# Altium PCB 20220331_Keyboard_V0.1.PcbDoc (part 2 of 2)
Units mil, origin at the board's own origin, x right, y up, seen from the top; angles counter-clockwise.
Board outline 8065.67 x 4703.83 mil, 2 copper layers (Top Layer, Bottom Layer); 134 components, 104 nets, 688 pads, 2532 vias.
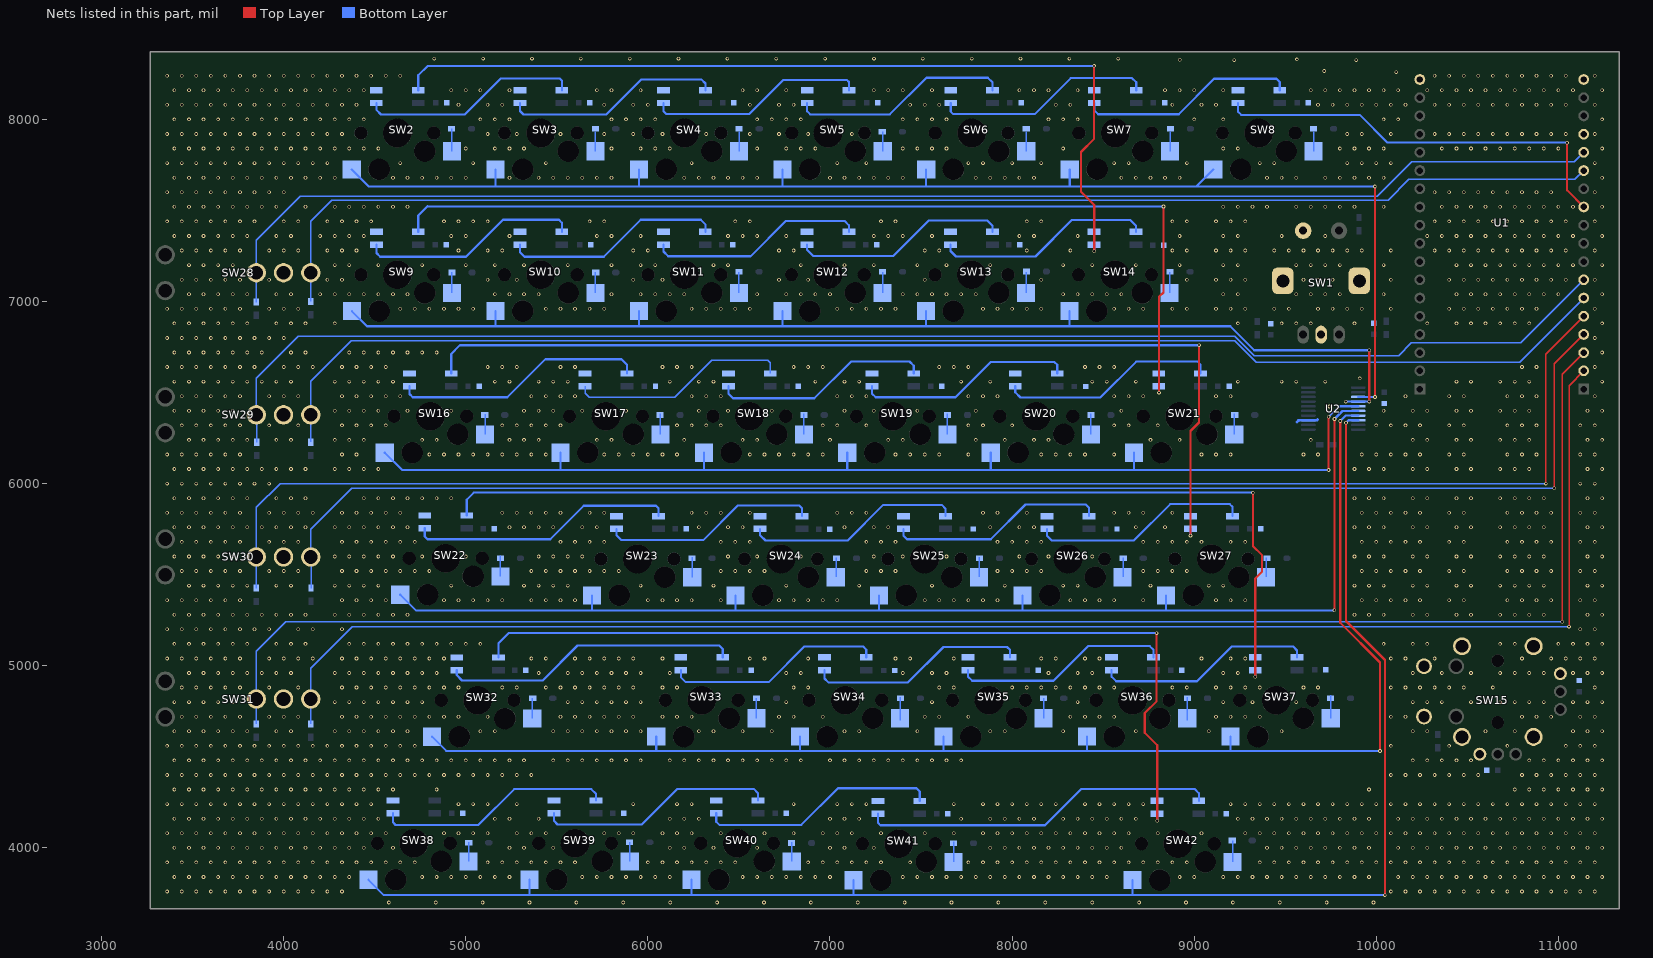
[diagram p2: the nets of this part, all layers, seen from the top]

## Via types
v1: diameter 20, hole 12, Top Layer to Bottom Layer, 2532 vias

## Nets (pads, with @x,y where several pads share a name; then routed paths per layer and width w, separated by ;. In a path a pad name is that pad's centre, name@x,y a point inside that pad or via, vN(x,y) a via of type N, cw(c..) or ccw(c..) an arc to the next point about the centre after c; other vN are vias at no path point) (continued)
GND: C1.1 C2.1 C3.1 C4.1 C5.1 C6.1 C7.1 C8.1 C9.2 C10.1 C11.1 C12.1 C13.1 C14.1 C15.1 C16.1 C17.1 C18.1 C19.1 C20.1 C21.1 C22.1 C23.1 C24.1 C25.1 C26.1 C27.1 C28.1 C29.1 C30.1 C31.1 C32.1 C33.1 C34.1 C35.1 C36.1 C37.1 C38.1 C39.1 C40.1 C41.1 SW1.6 SW1.7 SW1.C SW1.D SW2.5 SW3.5 SW4.5 SW5.5 SW6.5 SW7.5 SW8.5 SW9.5 SW10.5 SW11.5 SW12.5 SW13.5 SW14.5 SW15.1 SW15.6 SW15.7 SW15.8 SW15.9 SW15.10 SW15.b SW15.d SW16.5 SW17.5 SW18.5 SW19.5 SW20.5 SW21.5 SW22.5 SW23.5 SW24.5 SW25.5 SW26.5 SW27.5 SW28.2 SW29.2 SW30.2 SW31.2 SW32.5 SW33.5 SW34.5 SW35.5 SW36.5 SW37.5 SW38.5 SW39.5 SW40.5 SW41.5 SW42.5 U1.1 U1.4 U1.36 U2.13 | length 117.3
  Bottom Layer w16: 9565.08,6339.08 9574,6348.01 U2.13@9626.84,6348.01 9673.41,6348.01 9677.16,6351.76
  other v1: 4577.51,3700 4835,3700 5092.49,3700 5349.98,3700 5607.48,3700 5864.97,3700 6122.46,3700 6379.95,3700 6637.44,3700 6894.94,3700 7152.43,3700 7409.92,3700 7667.41,3700 7924.9,3700 8182.4,3700 8439.89,3700 8697.38,3700 8954.87,3700 9212.36,3700 9469.86,3700 9727.35,3700 9984.84,3700 3360,3760 3440,3760 3520,3760 3600,3760 3680,3760 3760,3760 3840,3760 3920,3760 4000,3760 4080,3760 4160,3760 4240,3760 4320,3760 10080,3760 10160,3760 10240,3760 10320,3760 10400,3760 10480,3760 10560,3760 10640,3760 10720,3760 10800,3760 10880,3760 10960,3760 11040,3760 11120,3760 11200,3760 3400,3840 3480,3840 3560,3840 3640,3840 3720,3840 3800,3840 3880,3840 3960,3840 4040,3840 4120,3840 4200,3840 4280,3840 4360,3840 4760,3840 4840,3840 4920,3840 5000,3840 5080,3840 5160,3840 5240,3840 5640,3840 5720,3840 5800,3840 5880,3840 5960,3840 6040,3840 6120,3840 6520,3840 6600,3840 6680,3840 6760,3840 6840,3840 6920,3840 7000,3840 7400,3840 7480,3840 7560,3840 7640,3840 7720,3840 7800,3840 7880,3840 7960,3840 8040,3840 8120,3840 8200,3840 8280,3840 8360,3840 8440,3840 8520,3840 8920,3840 9000,3840 9160,3840 9240,3840 9320,3840 9400,3840 9480,3840 9560,3840 9640,3840 9720,3840 9800,3840 9880,3840 9960,3840 10120,3840 10200,3840 10280,3840 10360,3840 10440,3840 10520,3840 10600,3840 10680,3840 10760,3840 10840,3840 10920,3840 11000,3840 11080,3840 11160,3840 11240,3840 3360,3920 3440,3920 3520,3920 3600,3920 3680,3920 3760,3920 3840,3920 3920,3920 4000,3920 4080,3920 4160,3920 4240,3920 4320,3920 4400,3920 4480,3920 4560,3920 4640,3920 4720,3920 5120,3920 5200,3920 5280,3920 5360,3920 5440,3920 5520,3920 5600,3920 6000,3920 6080,3920 6160,3920 6240,3920 6320,3920 6400,3920 6480,3920 6880,3920 6960,3920 7040,3920 7120,3920 7200,3920 7280,3920 7440,3920 7760,3920 7840,3920 7920,3920 8000,3920 8080,3920 8160,3920 8240,3920 8320,3920 8400,3920 8480,3920 8560,3920 8640,3920 8720,3920 8800,3920 8880,3920 8960,3920 9360,3920 9440,3920 9520,3920 9600,3920 9680,3920 9760,3920 9840,3920 9920,3920 10000,3920 10080,3920 10160,3920 10240,3920 10320,3920 10400,3920 10480,3920 10560,3920 10640,3920 10720,3920 10800,3920 10880,3920 10960,3920 11040,3920 11120,3920 11200,3920 3400,4000 3480,4000 3560,4000 3640,4000 3720,4000 3800,4000 3880,4000 3960,4000 4040,4000 4120,4000 4200,4000 4280,4000 4360,4000 4440,4000 4600,4000 5240,4000 5320,4000 5480,4000 6120,4000 6200,4000 6360,4000 6600,4000 7000,4000 7080,4000 7240,4000 7880,4000 7960,4000 8040,4000 8120,4000 8200,4000 8280,4000 8360,4000 8440,4000 8520,4000 8600,4000 9400,4000 9480,4000 9560,4000 9640,4000 9720,4000 9800,4000 9880,4000 9960,4000 10120,4000 10200,4000 10280,4000 10360,4000 10440,4000 10520,4000 10600,4000 10680,4000 10760,4000 10840,4000 10920,4000 11000,4000 11080,4000 11160,4000 11240,4000 3360,4080 3440,4080 3520,4080 3600,4080 3680,4080 3760,4080 3840,4080 3920,4080 4000,4080 4080,4080 4160,4080 4240,4080 4320,4080 4400,4080 4480,4080 4560,4080 4880,4080 4960,4080 5040,4080 5120,4080 5280,4080 5360,4080 5440,4080 5760,4080 5840,4080 5920,4080 6080,4080 6160,4080 6240,4080 6400,4080 6640,4080 6800,4080 6960,4080 7040,4080 7120,4080 7280,4080 7520,4080 7680,4080 7840,4080 7920,4080 8000,4080 8080,4080 8160,4080 8240,4080 8320,4080 8400,4080 8480,4080 8560,4080 8640,4080 8800,4080 9040,4080 9280,4080 9360,4080 9440,4080 9520,4080 9600,4080 9680,4080 9760,4080 9840,4080 9920,4080 10000,4080 10080,4080 10160,4080 10240,4080 10320,4080 10400,4080 10480,4080 10560,4080 10640,4080 10720,4080 10800,4080 10880,4080 10960,4080 11040,4080 11120,4080 11200,4080 3400,4160 3480,4160 3560,4160 3640,4160 3720,4160 3800,4160 3880,4160 3960,4160 4040,4160 4120,4160 4200,4160 4280,4160 4360,4160 4440,4160 4520,4160 5160,4160 5240,4160 5400,4160 6120,4160 6200,4160 6280,4160 7000,4160 7080,4160 7160,4160 7720,4160 7880,4160 7960,4160 8040,4160 8120,4160 8280,4160 8360,4160 8440,4160 8520,4160 8600,4160 8680,4160 9240,4160 9320,4160 9400,4160 9480,4160 9560,4160 9640,4160 9720,4160 9800,4160 9880,4160 9960,4160 10120,4160 10200,4160 10280,4160 10360,4160 10440,4160 10520,4160 10600,4160 10680,4160 10760,4160 10840,4160 10920,4160 11000,4160 11080,4160 11160,4160 11240,4160 3360,4240 3440,4240 3520,4240 3600,4240 3680,4240 3760,4240 3840,4240 3920,4240 4000,4240 4080,4240 4160,4240 4240,4240 4320,4240 4400,4240 4480,4240 4960,4240 5040,4240 5120,4240 5280,4240 5920,4240 6160,4240 6240,4240 6800,4240 7040,4240 7120,4240 7200,4240 7680,4240 7840,4240 7920,4240 8000,4240 8080,4240 8160,4240 8240,4240 8400,4240 8480,4240 8560,4240 8640,4240 8720,4240 9200,4240 9280,4240 9360,4240 9440,4240 9520,4240 9600,4240 9680,4240 9760,4240 9840,4240 9920,4240 10000,4240 10080,4240 10160,4240 10240,4240 10320,4240 10400,4240 10480,4240 10560,4240 10640,4240 10720,4240 10800,4240 10880,4240 10960,4240 11040,4240 11120,4240 11200,4240 3400,4320 3480,4320 3560,4320 3640,4320 3720,4320 3800,4320 3880,4320 3960,4320 4040,4320 4120,4320 4200,4320 4280,4320 4360,4320 4440,4320 4520,4320 4600,4320 4840,4320 9960,4320 10760,4320 10840,4320 10920,4320 11000,4320 11080,4320 11160,4320 11240,4320 3360,4400 3440,4400 3520,4400 3600,4400 3680,4400 3760,4400 3840,4400 3920,4400 4000,4400 4080,4400 4160,4400 4240,4400 4320,4400 4400,4400 4480,4400 4560,4400 4640,4400 4720,4400 4800,4400 4880,4400 4960,4400 5040,4400 5120,4400 5200,4400 5280,4400 5360,4400 10080,4400 10160,4400 10240,4400 10320,4400 10400,4400 10480,4400 10560,4400 10800,4400 10880,4400 10960,4400 11040,4400 11120,4400 11200,4400 3400,4480 3480,4480 3560,4480 3640,4480 3720,4480 3800,4480 3880,4480 3960,4480 4040,4480 4120,4480 4200,4480 4280,4480 4360,4480 4440,4480 4520,4480 4600,4480 4680,4480 4760,4480 4840,4480 4920,4480 5000,4480 5080,4480 5160,4480 5240,4480 5320,4480 5480,4480 5560,4480 5640,4480 5720,4480 5800,4480 5880,4480 5960,4480 6120,4480 6200,4480 6280,4480 6360,4480 6440,4480 6520,4480 6600,4480 6680,4480 6760,4480 6840,4480 7000,4480 7080,4480 7160,4480 7240,4480 7320,4480 7400,4480 7480,4480 7560,4480 7640,4480 7720,4480 10200,4480 10280,4480 10360,4480 10440,4480 10520,4480 10840,4480 10920,4480 11000,4480 11080,4480 11160,4480 11240,4480 3360,4560 3440,4560 3520,4560 3600,4560 3680,4560 3760,4560 3840,4560 3920,4560 4000,4560 4080,4560 4160,4560 4240,4560 4320,4560 4400,4560 4480,4560 4560,4560 4640,4560 4720,4560 10080,4560 10400,4560 10720,4560 11040,4560 11120,4560 11200,4560 3400,4640 3480,4640 3560,4640 3640,4640 3720,4640 3800,4640 3960,4640 4040,4640 4280,4640 4360,4640 4440,4640 4520,4640 4600,4640 4680,4640 5080,4640 5160,4640 5480,4640 5560,4640 5640,4640 5720,4640 5800,4640 5880,4640 5960,4640 6280,4640 6360,4640 6520,4640 6680,4640 7080,4640 7160,4640 7480,4640 7880,4640 7960,4640 8280,4640 8680,4640 9080,4640 9480,4640 10200,4640 10280,4640 10600,4640 10760,4640 11080,4640 11160,4640 11240,4640 3440,4720 3520,4720 3600,4720 3680,4720 3760,4720 3920,4720 4000,4720 4080,4720 4320,4720 4400,4720 4480,4720 4560,4720 4640,4720 4720,4720 4800,4720 4880,4720 4960,4720 5120,4720 5520,4720 5600,4720 5680,4720 5760,4720 5840,4720 5920,4720 6080,4720 6160,4720 6240,4720 6720,4720 6800,4720 6960,4720 7520,4720 7600,4720 7760,4720 8320,4720 8400,4720 8480,4720 8560,4720 9120,4720 9200,4720 9280,4720 9360,4720 10080,4720 10160,4720 10800,4720 10880,4720 10960,4720 11120,4720 11200,4720 3400,4800 3480,4800 3560,4800 3640,4800 3720,4800 4280,4800 4360,4800 4440,4800 4520,4800 4600,4800 4680,4800 4760,4800 5560,4800 5640,4800 5720,4800 5800,4800 5880,4800 5960,4800 6760,4800 7560,4800 8360,4800 9160,4800 9320,4800 9560,4800 10200,4800 10280,4800 10360,4800 10520,4800 10600,4800 10680,4800 10760,4800 10840,4800 10920,4800 11080,4800 11160,4800 11240,4800 3440,4880 3520,4880 3600,4880 3680,4880 3760,4880 3920,4880 4080,4880 4320,4880 4400,4880 4480,4880 4560,4880 4640,4880 4720,4880 4800,4880 4880,4880 4960,4880 5200,4880 5280,4880 5440,4880 5520,4880 5600,4880 5680,4880 5760,4880 5840,4880 5920,4880 6080,4880 6160,4880 6800,4880 6880,4880 7600,4880 7680,4880 8000,4880 8080,4880 8160,4880 8240,4880 8320,4880 8400,4880 8480,4880 8560,4880 8880,4880 8960,4880 9120,4880 9200,4880 9280,4880 9360,4880 9600,4880 9680,4880 10080,4880 10160,4880 10240,4880 10320,4880 10400,4880 10480,4880 10640,4880 11200,4880 3480,4960 3560,4960 3640,4960 3720,4960 3800,4960 3880,4960 3960,4960 4040,4960 4280,4960 4360,4960 4440,4960 4520,4960 4600,4960 4680,4960 4760,4960 4840,4960 5400,4960 5560,4960 5640,4960 5720,4960 5800,4960 5880,4960 5960,4960 6120,4960 6760,4960 6840,4960 7400,4960 7560,4960 7640,4960 8200,4960 8360,4960 8440,4960 9160,4960 9240,4960 10200,4960 10360,4960 10520,4960 10680,4960 10760,4960 10840,4960 10920,4960 11080,4960 11160,4960 11240,4960 3360,5040 3440,5040 3520,5040 3600,5040 3680,5040 3760,5040 3920,5040 4000,5040 4080,5040 4160,5040 4320,5040 4400,5040 4480,5040 4560,5040 4640,5040 4720,5040 4800,5040 4880,5040 5360,5040 5440,5040 5600,5040 5680,5040 5760,5040 5840,5040 5920,5040 6080,5040 6560,5040 6640,5040 6880,5040 7360,5040 7440,5040 7680,5040 8160,5040 8240,5040 8400,5040 8480,5040 9040,5040 9200,5040 9280,5040 10080,5040 10160,5040 10320,5040 10800,5040 10960,5040 11040,5040 11120,5040 11200,5040 3400,5120 3480,5120 3560,5120 3640,5120 3720,5120 3800,5120 3960,5120 4040,5120 4120,5120 4360,5120 4440,5120 4520,5120 4600,5120 4680,5120 4760,5120 4840,5120 4920,5120 5000,5120 5080,5120 10040,5120 10200,5120 10280,5120 10680,5120 10760,5120 11000,5120 11080,5120 11160,5120 11240,5120 3360,5200 3440,5200 3520,5200 3600,5200 3680,5200 3760,5200 3840,5200 3920,5200 4080,5200 4160,5200 4320,5200 11120,5200 11200,5200 3400,5280 3480,5280 3560,5280 3640,5280 3720,5280 3800,5280 3880,5280 3960,5280 4040,5280 4120,5280 4280,5280 4360,5280 4440,5280 4520,5280 4600,5280 4680,5280 9880,5280 9960,5280 10040,5280 10200,5280 10280,5280 10440,5280 10520,5280 10680,5280 10760,5280 10840,5280 10920,5280 11160,5280 11240,5280 3360,5360 3440,5360 3520,5360 3600,5360 3680,5360 3760,5360 4320,5360 4400,5360 4480,5360 4560,5360 4880,5360 4960,5360 5040,5360 5120,5360 5200,5360 5360,5360 5440,5360 5520,5360 5600,5360 6000,5360 6080,5360 6160,5360 6240,5360 6400,5360 6720,5360 6800,5360 6880,5360 6960,5360 7040,5360 7520,5360 7600,5360 7680,5360 7760,5360 7840,5360 7920,5360 8320,5360 8400,5360 8480,5360 8560,5360 8720,5360 9120,5360 9200,5360 9280,5360 9920,5360 10000,5360 10080,5360 10160,5360 10240,5360 10400,5360 10480,5360 10720,5360 10800,5360 10880,5360 10960,5360 11120,5360 11200,5360 3480,5440 3560,5440 3640,5440 3720,5440 3800,5440 3960,5440 4040,5440 4280,5440 4360,5440 4440,5440 4520,5440 4920,5440 5320,5440 5400,5440 5480,5440 5560,5440 5960,5440 6360,5440 6760,5440 7160,5440 7560,5440 7960,5440 8280,5440 8360,5440 8760,5440 9080,5440 9160,5440 9880,5440 9960,5440 10040,5440 10200,5440 10280,5440 10440,5440 10520,5440 10680,5440 10760,5440 10840,5440 10920,5440 11160,5440 11240,5440 3440,5520 3520,5520 3600,5520 3680,5520 3760,5520 3920,5520 4000,5520 4080,5520 4320,5520 4400,5520 4480,5520 4560,5520 4640,5520 4720,5520 4800,5520 5360,5520 5440,5520 5520,5520 5600,5520 5680,5520 5760,5520 5840,5520 6400,5520 6480,5520 6560,5520 6640,5520 7200,5520 7280,5520 7360,5520 7920,5520 8000,5520 8080,5520 8160,5520 8720,5520 8800,5520 8880,5520 8960,5520 9920,5520 10000,5520 10080,5520 10160,5520 10240,5520 10400,5520 10480,5520 10720,5520 10800,5520 10880,5520 10960,5520 11120,5520 11200,5520 3400,5600 3480,5600 3560,5600 3640,5600 3720,5600 4280,5600 4360,5600 4440,5600 4520,5600 4600,5600 4760,5600 5000,5600 5400,5600 5480,5600 5560,5600 5640,5600 6440,5600 6600,5600 6840,5600 7240,5600 7400,5600 7640,5600 8040,5600 8200,5600 8440,5600 9880,5600 9960,5600 10040,5600 10200,5600 10280,5600 10440,5600 10520,5600 10680,5600 10760,5600 10840,5600 10920,5600 11160,5600 11240,5600 3440,5680 3520,5680 3600,5680 3680,5680 3760,5680 3920,5680 4000,5680 4080,5680 4320,5680 4400,5680 4480,5680 4560,5680 4640,5680 4720,5680 5520,5680 5600,5680 5680,5680 5760,5680 6400,5680 6480,5680 6560,5680 7200,5680 7280,5680 7360,5680 7920,5680 8000,5680 8080,5680 8160,5680 8720,5680 8800,5680 8880,5680 8960,5680 9040,5680 9200,5680 9280,5680 9920,5680 10000,5680 10080,5680 10160,5680 10240,5680 10400,5680 10480,5680 10720,5680 10800,5680 10880,5680 10960,5680 11120,5680 11200,5680 3400,5760 3480,5760 3560,5760 3640,5760 3720,5760 3800,5760 3880,5760 3960,5760 4040,5760 4120,5760 4280,5760 4360,5760 4440,5760 4520,5760 4600,5760 4680,5760 5240,5760 5320,5760 5400,5760 5480,5760 5640,5760 5720,5760 6280,5760 6440,5760 6520,5760 7080,5760 7240,5760 7320,5760 7880,5760 8040,5760 8120,5760 8680,5760 8840,5760 9880,5760 9960,5760 10040,5760 10200,5760 10280,5760 10440,5760 10520,5760 10680,5760 10760,5760 10840,5760 10920,5760 11160,5760 11240,5760 3360,5840 3440,5840 3520,5840 3600,5840 3680,5840 3760,5840 3920,5840 4000,5840 4080,5840 4160,5840 4320,5840 4400,5840 4480,5840 4560,5840 4640,5840 5200,5840 5280,5840 5360,5840 5440,5840 5520,5840 5680,5840 5760,5840 6240,5840 6320,5840 6400,5840 6560,5840 7040,5840 7120,5840 7200,5840 7840,5840 7920,5840 8080,5840 8560,5840 8640,5840 8720,5840 8880,5840 9920,5840 10000,5840 10080,5840 10160,5840 10240,5840 10400,5840 10480,5840 10720,5840 10800,5840 10880,5840 10960,5840 11120,5840 11200,5840 3400,5920 3480,5920 3560,5920 3640,5920 3720,5920 3800,5920 3960,5920 4040,5920 4120,5920 4440,5920 4520,5920 4600,5920 4680,5920 4760,5920 4840,5920 4920,5920 9880,5920 9960,5920 10040,5920 10200,5920 10280,5920 10440,5920 10520,5920 10680,5920 10760,5920 10840,5920 10920,5920 11160,5920 11240,5920 3360,6000 3440,6000 3520,6000 3600,6000 3680,6000 3760,6000 3840,6000 3920,6000 11120,6000 11200,6000 3400,6080 3480,6080 3560,6080 3640,6080 3720,6080 3800,6080 3880,6080 3960,6080 4040,6080 4120,6080 4280,6080 4360,6080 4440,6080 4520,6080 9880,6080 9960,6080 10040,6080 10200,6080 10280,6080 10440,6080 10520,6080 10680,6080 10760,6080 10840,6080 11160,6080 11240,6080 3360,6160 3440,6160 3520,6160 3600,6160 3680,6160 3760,6160 4320,6160 4400,6160 4800,6160 4880,6160 4960,6160 5040,6160 5120,6160 5200,6160 5280,6160 5360,6160 5440,6160 5760,6160 5840,6160 5920,6160 6000,6160 6080,6160 6160,6160 6560,6160 6640,6160 6720,6160 6800,6160 6880,6160 6960,6160 7360,6160 7440,6160 7520,6160 7600,6160 7760,6160 8160,6160 8240,6160 8320,6160 8400,6160 8560,6160 9040,6160 9120,6160 9200,6160 9600,6160 9680,6160 9920,6160 10000,6160 10080,6160 10160,6160 10240,6160 10400,6160 10480,6160 10720,6160 10800,6160 10880,6160 11120,6160 11200,6160 3480,6240 3560,6240 3640,6240 3720,6240 3800,6240 3960,6240 4040,6240 4280,6240 4360,6240 4440,6240 4760,6240 4840,6240 5240,6240 5320,6240 5400,6240 5720,6240 5800,6240 6200,6240 6520,6240 6600,6240 7000,6240 7320,6240 7400,6240 7800,6240 7960,6240 8120,6240 8200,6240 8760,6240 8920,6240 9640,6240 10200,6240 10280,6240 10440,6240 10520,6240 10680,6240 10760,6240 10840,6240 11160,6240 11240,6240 3440,6320 3520,6320 3600,6320 3680,6320 3760,6320 3920,6320 4080,6320 4320,6320 4400,6320 4480,6320 4560,6320 5200,6320 5280,6320 5360,6320 5440,6320 5520,6320 6160,6320 6240,6320 6320,6320 6400,6320 6960,6320 7040,6320 7200,6320 7760,6320 7840,6320 8000,6320 8560,6320 8640,6320 8800,6320 10000,6320 10080,6320 10160,6320 10240,6320 10400,6320 10480,6320 10720,6320 10800,6320 10880,6320 11120,6320 11200,6320 3400,6400 3480,6400 3560,6400 3640,6400 3720,6400 4280,6400 4360,6400 4440,6400 4520,6400 4680,6400 4920,6400 5320,6400 5400,6400 5480,6400 5640,6400 5880,6400 6280,6400 6440,6400 6680,6400 7080,6400 7240,6400 7480,6400 7800,6400 8600,6400 10040,6400 10200,6400 10280,6400 10440,6400 10520,6400 10680,6400 10760,6400 10840,6400 11160,6400 11240,6400 9742.37,6423.74 3440,6480 3520,6480 3600,6480 3680,6480 3760,6480 3920,6480 4000,6480 4080,6480 4320,6480 4400,6480 4480,6480 4560,6480 4640,6480 5360,6480 5440,6480 5520,6480 5600,6480 6240,6480 6320,6480 6400,6480 7040,6480 7120,6480 7200,6480 7760,6480 7840,6480 7920,6480 8560,6480 8640,6480 8720,6480 9120,6480 9200,6480 10160,6480 10400,6480 10480,6480 10720,6480 10800,6480 10880,6480 11200,6480 3400,6560 3480,6560 3560,6560 3640,6560 3720,6560 3800,6560 3880,6560 3960,6560 4040,6560 4280,6560 4360,6560 4440,6560 4520,6560 4600,6560 5160,6560 5240,6560 5400,6560 5480,6560 5560,6560 6120,6560 6280,6560 6360,6560 6920,6560 7080,6560 7160,6560 7720,6560 7880,6560 8440,6560 8520,6560 8680,6560 9240,6560 9480,6560 9560,6560 9720,6560 10440,6560 10520,6560 10680,6560 10760,6560 10840,6560 11240,6560 9909.55,6578.08 3360,6640 3440,6640 3520,6640 3600,6640 3680,6640 3760,6640 3840,6640 4000,6640 4080,6640 4160,6640 4320,6640 4400,6640 4480,6640 4560,6640 5120,6640 5200,6640 5280,6640 5520,6640 5600,6640 6080,6640 6160,6640 6240,6640 6800,6640 6880,6640 6960,6640 7600,6640 7680,6640 7760,6640 8400,6640 8480,6640 8560,6640 10800,6640 10880,6640 11200,6640 3400,6720 3480,6720 3560,6720 3640,6720 3720,6720 3800,6720 3880,6720 4040,6720 4120,6720 4360,6720 4440,6720 4520,6720 4600,6720 4680,6720 4760,6720 4840,6720 11240,6720 3360,6800 3440,6800 3520,6800 3600,6800 3680,6800 3760,6800 3840,6800 3920,6800 4000,6800 11200,6800 3400,6880 3480,6880 3560,6880 3640,6880 3720,6880 3800,6880 3960,6880 4040,6880 4120,6880 4280,6880 9240,6880 9480,6880 9560,6880 9640,6880 9880,6880 10280,6880 10440,6880 10520,6880 10600,6880 10680,6880 10760,6880 10840,6880 11240,6880 3360,6960 3440,6960 3520,6960 3600,6960 3680,6960 3760,6960 3920,6960 4000,6960 4080,6960 4640,6960 4720,6960 4800,6960 4880,6960 4960,6960 5040,6960 5440,6960 5520,6960 5600,6960 5680,6960 5760,6960 6240,6960 6320,6960 6400,6960 6480,6960 6560,6960 7040,6960 7120,6960 7200,6960 7280,6960 7360,6960 7840,6960 7920,6960 8000,6960 8080,6960 8160,6960 8560,6960 8640,6960 8720,6960 8880,6960 8960,6960 9120,6960 9200,6960 9280,6960 9440,6960 9520,6960 9680,6960 9760,6960 9840,6960 9920,6960 10080,6960 10400,6960 10480,6960 10560,6960 10640,6960 10720,6960 10800,6960 10880,6960 11200,6960 3480,7040 3560,7040 3640,7040 3720,7040 3800,7040 3960,7040 4040,7040 4200,7040 4280,7040 4360,7040 4440,7040 4520,7040 4600,7040 4680,7040 5160,7040 5240,7040 5320,7040 5400,7040 5800,7040 5960,7040 6040,7040 6120,7040 6200,7040 6600,7040 6760,7040 6840,7040 6920,7040 7000,7040 7400,7040 7480,7040 7560,7040 7640,7040 7720,7040 7800,7040 8280,7040 8360,7040 8440,7040 8520,7040 8600,7040 9160,7040 9240,7040 9560,7040 9640,7040 9720,7040 9800,7040 10040,7040 10440,7040 10520,7040 10600,7040 10680,7040 10760,7040 10840,7040 10920,7040 11000,7040 11240,7040 3440,7120 3520,7120 3600,7120 3680,7120 3760,7120 3920,7120 4240,7120 4320,7120 5120,7120 5280,7120 5920,7120 6080,7120 6720,7120 6880,7120 7520,7120 8160,7120 8960,7120 9120,7120 9200,7120 9280,7120 9600,7120 9680,7120 9760,7120 10080,7120 10400,7120 10480,7120 10560,7120 10640,7120 10720,7120 10800,7120 10880,7120 10960,7120 11040,7120 11200,7120 3480,7200 3560,7200 3640,7200 3720,7200 4280,7200 4360,7200 4520,7200 4760,7200 5000,7200 5160,7200 5320,7200 5560,7200 5800,7200 5960,7200 6040,7200 6360,7200 6440,7200 6840,7200 7080,7200 7240,7200 7480,7200 7640,7200 7880,7200 8280,7200 8440,7200 8680,7200 8920,7200 9160,7200 9240,7200 9560,7200 9640,7200 9720,7200 9800,7200 10040,7200 10440,7200 10520,7200 10600,7200 10680,7200 10760,7200 10840,7200 10920,7200 11000,7200 11080,7200 11240,7200 3440,7280 3520,7280 3600,7280 3680,7280 3760,7280 3920,7280 4000,7280 4080,7280 4240,7280 4320,7280 4400,7280 4960,7280 5120,7280 5200,7280 5920,7280 6000,7280 6720,7280 6800,7280 7520,7280 7600,7280 8080,7280 8320,7280 8880,7280 8960,7280 9120,7280 9200,7280 9280,7280 9440,7280 9520,7280 9600,7280 9680,7280 9760,7280 9840,7280 9920,7280 10080,7280 10320,7280 10400,7280 10480,7280 10560,7280 10640,7280 10720,7280 10800,7280 10880,7280 10960,7280 11040,7280 11200,7280 3400,7360 3480,7360 3560,7360 3640,7360 3720,7360 3800,7360 3960,7360 4040,7360 4200,7360 4280,7360 4360,7360 4440,7360 4920,7360 5000,7360 5240,7360 5720,7360 5800,7360 5960,7360 6440,7360 6520,7360 6600,7360 6760,7360 7240,7360 7320,7360 7400,7360 7560,7360 8040,7360 8120,7360 8360,7360 8920,7360 9160,7360 9240,7360 9480,7360 9720,7360 10280,7360 10360,7360 10440,7360 10520,7360 10600,7360 10680,7360 10760,7360 10840,7360 10920,7360 11000,7360 11080,7360 11240,7360 3360,7440 3440,7440 3520,7440 3600,7440 3680,7440 3760,7440 3840,7440 4000,7440 4080,7440 4240,7440 4320,7440 4400,7440 4480,7440 4880,7440 4960,7440 5040,7440 5120,7440 5680,7440 5760,7440 6480,7440 6560,7440 7280,7440 7360,7440 8080,7440 8160,7440 8880,7440 8960,7440 9120,7440 9200,7440 9280,7440 10320,7440 10400,7440 10480,7440 10560,7440 10640,7440 10720,7440 10800,7440 10880,7440 10960,7440 11040,7440 11200,7440 3400,7520 3480,7520 3560,7520 3640,7520 3720,7520 3800,7520 3880,7520 3960,7520 4120,7520 4280,7520 4360,7520 4440,7520 4520,7520 4600,7520 4680,7520 9160,7520 9240,7520 9320,7520 9400,7520 9560,7520 9640,7520 9720,7520 9800,7520 9880,7520 10040,7520 10360,7520 10440,7520 10520,7520 10600,7520 10680,7520 10760,7520 10840,7520 10920,7520 11000,7520 11080,7520 11240,7520 3360,7600 3440,7600 3520,7600 3600,7600 3680,7600 3760,7600 3840,7600 3920,7600 4000,7600 10320,7600 10400,7600 10480,7600 10560,7600 10640,7600 10720,7600 10800,7600 10880,7600 10960,7600 11200,7600 3400,7680 3480,7680 3560,7680 3640,7680 3720,7680 3800,7680 3880,7680 3960,7680 4040,7680 4120,7680 4200,7680 4280,7680 4600,7680 4680,7680 4760,7680 4840,7680 4920,7680 5000,7680 5240,7680 5400,7680 5480,7680 5560,7680 5640,7680 5720,7680 5800,7680 6200,7680 6280,7680 6360,7680 6440,7680 6520,7680 6600,7680 7000,7680 7080,7680 7160,7680 7240,7680 7320,7680 7400,7680 7800,7680 7880,7680 7960,7680 8040,7680 8120,7680 8600,7680 8680,7680 8760,7680 8840,7680 8920,7680 9400,7680 9480,7680 9560,7680 9720,7680 9800,7680 9880,7680 9960,7680 10040,7680 11240,7680 3360,7760 3440,7760 3520,7760 3600,7760 3680,7760 3760,7760 3840,7760 3920,7760 4000,7760 4080,7760 4160,7760 4240,7760 4640,7760 5040,7760 5440,7760 6240,7760 7040,7760 7200,7760 7760,7760 7840,7760 8000,7760 8160,7760 8560,7760 8640,7760 8960,7760 9360,7760 9440,7760 9840,7760 9920,7760 10000,7760 10080,7760 11200,7760 3400,7840 3480,7840 3560,7840 3640,7840 3720,7840 3800,7840 3880,7840 3960,7840 4040,7840 4120,7840 4200,7840 4280,7840 4360,7840 4440,7840 4520,7840 5000,7840 5160,7840 5240,7840 5320,7840 5800,7840 5960,7840 6040,7840 6120,7840 6600,7840 6760,7840 6840,7840 6920,7840 7400,7840 7480,7840 7560,7840 7640,7840 8280,7840 9160,7840 9240,7840 9800,7840 9880,7840 9960,7840 10040,7840 10360,7840 10440,7840 10520,7840 10600,7840 10680,7840 10760,7840 10840,7840 10920,7840 11000,7840 11240,7840 3360,7920 3440,7920 3520,7920 3600,7920 3680,7920 3760,7920 3840,7920 3920,7920 4000,7920 4080,7920 4160,7920 4240,7920 4320,7920 5120,7920 5280,7920 5520,7920 5760,7920 5920,7920 6080,7920 6320,7920 6560,7920 6720,7920 6880,7920 7120,7920 9840,7920 9920,7920 10080,7920 10320,7920 10400,7920 10480,7920 10560,7920 10640,7920 10720,7920 10800,7920 10880,7920 10960,7920 11040,7920 11200,7920 3400,8000 3480,8000 3560,8000 3640,8000 3720,8000 3800,8000 3880,8000 3960,8000 4040,8000 4120,8000 4200,8000 4280,8000 4360,8000 4440,8000 5080,8000 5160,8000 5240,8000 5800,8000 5880,8000 5960,8000 6040,8000 6600,8000 6680,8000 6760,8000 6840,8000 7400,8000 7480,8000 7560,8000 7640,8000 8200,8000 8280,8000 8360,8000 9000,8000 9160,8000 10040,8000 10120,8000 11240,8000 3360,8080 3440,8080 3520,8080 3600,8080 3680,8080 3760,8080 3840,8080 3920,8080 4000,8080 4080,8080 4160,8080 4240,8080 4320,8080 4400,8080 4960,8080 5120,8080 5200,8080 5760,8080 5920,8080 6000,8080 6560,8080 6720,8080 6800,8080 7440,8080 7520,8080 7600,8080 8240,8080 8320,8080 8880,8080 9040,8080 9120,8080 9680,8080 9760,8080 9840,8080 9920,8080 10000,8080 10080,8080 10160,8080 10320,8080 10400,8080 10480,8080 10560,8080 10640,8080 10720,8080 10800,8080 10880,8080 10960,8080 11040,8080 11200,8080 3400,8160 3480,8160 3560,8160 3640,8160 3720,8160 3800,8160 3880,8160 3960,8160 4040,8160 4120,8160 4200,8160 4280,8160 4360,8160 4440,8160 4920,8160 5000,8160 5080,8160 5240,8160 5720,8160 5800,8160 5960,8160 6520,8160 6600,8160 6760,8160 7240,8160 7320,8160 7400,8160 7560,8160 8040,8160 8120,8160 8200,8160 8360,8160 8840,8160 8920,8160 9000,8160 9160,8160 9640,8160 9720,8160 9800,8160 9880,8160 9960,8160 10040,8160 10120,8160 10280,8160 10360,8160 10440,8160 10520,8160 10600,8160 10680,8160 10760,8160 10840,8160 10920,8160 11000,8160 11080,8160 11240,8160 3360,8240 3440,8240 3520,8240 3600,8240 3680,8240 3760,8240 3840,8240 3920,8240 4000,8240 4080,8240 4160,8240 4240,8240 4320,8240 4400,8240 4480,8240 4560,8240 4640,8240 10320,8240 10400,8240 10480,8240 10560,8240 10640,8240 10720,8240 10800,8240 10880,8240 10960,8240 11040,8240 11200,8240 10109.14,8259.49 9713.64,8265.49 9220.27,8325.41 9889.42,8325.41 8920.65,8327.41 9563.83,8329.4 4826.59,8334 5094.91,8334 5363.23,8334 5631.55,8334 5899.87,8334 6168.19,8334 6436.51,8334 6704.83,8334 6973.15,8334 7241.47,8334 7509.79,8334 7778.11,8334 8046.43,8334 8314.75,8334 8583.07,8334
NetD1_1: D1.1 SW2.4 | length 124.7
  Bottom Layer w8: D1.1@4921.92,7948.86 4923.98,7946.81 SW2.4@4923.98,7825
NetD2_1: D2.1 SW3.4 | length 106.7
  Bottom Layer w8: SW3.4@5711.71,7825.77 5711.71,7932.43
NetD3_1: D3.1 SW4.4 | length 107.1
  Bottom Layer w8: SW4.4@6500.61,7825.38 6500.61,7932.43
NetD4_1: D4.1 SW5.4 | length 107.4
  Bottom Layer w8: SW5.4@7289.49,7825 D4.1@7289.51,7932.43
NetD5_1: D5.1 SW6.4 | length 107
  Bottom Layer w8: SW6.4@8078.41,7825.41 8078.41,7932.43
NetD6_1: D6.1 SW7.4 | length 106.6
  Bottom Layer w8: SW7.4@8867.31,7825.81 8867.31,7932.43
NetD7_1: D7.1 SW8.4 | length 106.2
  Bottom Layer w8: SW8.4@9656.21,7826.21 9656.21,7932.43
NetD8_1: D8.1 SW9.4 | length 112.2
  Bottom Layer w8: SW9.4@4923.81,7047.73 D8.1@4923.81,7159.92
NetD9_1: D9.1 SW10.4 | length 112.3
  Bottom Layer w8: SW10.4@5712.05,7047.62 D9.1@5712.05,7159.92
NetD10_1: D10.1 SW11.4 | length 112.4
  Bottom Layer w8: SW11.4@6500.28,7047.5 D10.1@6500.28,7159.92
NetD11_1: D11.1 SW12.4 | length 112.5
  Bottom Layer w8: SW12.4@7288.52,7047.38 D11.1@7288.52,7159.92
NetD12_1: D12.1 SW13.4 | length 112.7
  Bottom Layer w8: SW13.4@8076.76,7047.26 D12.1@8076.76,7159.92
NetD13_1: D13.1 SW14.4 | length 112.8
  Bottom Layer w8: SW14.4@8865,7047.15 D13.1@8865,7159.92
NetD14_1: D14.1 SW16.4 | length 110.2
  Bottom Layer w8: SW16.4@5105.65,6270.18 D14.1@5105.65,6380.43
NetD15_1: D15.1 SW17.4 | length 111.5
  Bottom Layer w8: SW17.4@6068.33,6271.67 D15.1@6068.33,6383.18
NetD16_1: D16.1 SW18.4 | length 111.7
  Bottom Layer w8: SW18.4@6856.05,6271.45 D16.1@6856.05,6383.18
NetD17_1: D17.1 SW19.4 | length 112
  Bottom Layer w8: SW19.4@7643.78,6271.22 D17.1@7643.78,6383.18
NetD18_1: D18.1 SW20.4 | length 112.2
  Bottom Layer w8: SW20.4@8431.5,6271 D18.1@8431.5,6383.18
NetD19_1: D19.1 SW21.4 | length 112.4
  Bottom Layer w8: SW21.4@9219.23,6270.77 D19.1@9219.23,6383.18
NetD20_1: D20.1 SW22.4 | length 112.6
  Bottom Layer w8: SW22.4@5190,5490 D20.1@5189.95,5602.64
NetD21_1: D21.1 SW23.4 | length 110.4
  Bottom Layer w8: SW23.4@6243.04,5486.31 D21.1@6243.04,5596.66
NetD22_1: D22.1 SW24.4 | length 104.1
  Bottom Layer w8: SW24.4@7034.65,5489.93 D22.1@7034.65,5594
NetD23_1: D23.1 SW25.4 | length 107.6
  Bottom Layer w8: SW25.4@7820,5487.29 D23.1@7820,5594.88
NetD24_1: D24.1 SW26.4 | length 105.5
  Bottom Layer w8: SW26.4@8609.2,5488.5 D24.1@8609.2,5594
NetD25_1: D25.1 SW27.4 | length 106.2
  Bottom Layer w8: SW27.4@9396.47,5487.78 D25.1@9396.47,5594
NetD26_1: D26.1 SW32.4 | length 112
  Bottom Layer w8: SW32.4@5365.53,4710.53 D26.1@5365.53,4822.52
NetD27_1: D27.1 SW33.4 | length 110
  Bottom Layer w8: SW33.4@6596.23,4711.1 D27.1@6596.23,4821.13
NetD28_1: D28.1 SW34.4 | length 126.9
  Bottom Layer w8: SW34.4@7386.53,4699.95 D28.1@7386.53,4826.89
NetD29_1: D29.1 SW35.4 | length 109.7
  Bottom Layer w8: SW35.4@8172.55,4711.45 D29.1@8172.55,4821.13
NetD30_1: D30.1 SW36.4 | length 126.3
  Bottom Layer w8: SW36.4@8961.15,4700.95 D30.1@8961.15,4827.26
NetD31_1: D31.1 SW37.4 | length 126
  Bottom Layer w8: SW37.4@9748.88,4712.08 9748.88,4838.07
NetD32_1: D32.1 SW38.4 | length 104.9
  Bottom Layer w8: SW38.4@5015,3925 D32.1@5015,4029.88
NetD33_1: D33.1 SW39.4 | length 104.9
  Bottom Layer w8: SW39.4@5900,3925 D33.1@5900,4029.88
NetD34_1: D34.1 SW40.4 | length 104.9
  Bottom Layer w8: SW40.4@6790,3925 D34.1@6790,4029.88
NetD35_1: D35.1 SW41.4 | length 109.9
  Bottom Layer w8: SW41.4@7678.38,3922.46 D35.1@7678.38,4032.34
NetD36_1: D36.1 SW42.4 | length 116.5
  Bottom Layer w8: SW42.4@9210.61,3922.82 D36.1@9210.61,4039.28
NetSW2_2: SW2.2 SW14.6 | length 4927.5
  Top Layer w12: v1(8450.56,8293.76) 8450.56,7893.12 8378.51,7821.07 8378.51,7602.13 8451.02,7529.63 v1(8451.02,7276.18)
  Bottom Layer w12: SW2.2@4738.98,8160 4738.98,8242.16 4790.58,8293.76 v1(8450.56,8293.76) ; v1(8451.02,7276.18) SW14.6@8451.02,7311.13
NetSW2_6: SW2.6 SW3.2 | length 1205.5
  Bottom Layer w12: SW2.6@4508.98,8090 4508.98,8053.11 4534.71,8027.38 4995,8027.38 5191.88,8224.25 5516.61,8224.25 5527.48,8213.38 SW3.2@5527.48,8160
NetSW3_6: SW3.6 SW4.2 | length 1197.4
  Bottom Layer w12: SW3.6@5297.48,8090 5297.48,8046.35 5317.17,8026.66 5772,8026.66 5965.36,8220.02 6293.67,8220.02 6315.98,8197.71 SW4.2@6315.98,8160
NetSW4_6: SW4.6 SW5.2 | length 1198.5
  Bottom Layer w12: SW4.6@6085.98,8090 6085.98,8044.18 6100.93,8029.23 6556.82,8029.23 6744.78,8217.2 7092.42,8217.2 7104.49,8205.12 SW5.2@7104.49,8160
NetSW5_6: SW5.6 SW6.2 | length 1208.2
  Bottom Layer w12: SW5.6@6874.49,8090 6874.49,8044.94 6891.91,8027.52 7328.38,8027.52 7530.03,8229.17 7867,8229.17 7892.99,8203.17 SW6.2@7892.99,8160
NetSW6_6: SW6.6 SW7.2 | length 1206.6
  Bottom Layer w12: SW6.6@7662.99,8090 7662.99,8042.69 7676.6,8029.08 8124.23,8029.08 8321.76,8226.62 8658.83,8226.62 8681.5,8203.95 SW7.2@8681.5,8160
NetSW7_6: SW7.6 SW8.2 | length 1200.1
  Bottom Layer w12: SW7.6@8451.5,8090 8451.5,8050.3 8473.17,8028.63 8914.72,8028.63 9109.08,8222.99 9451.95,8222.99 9470,8204.94 SW8.2@9470,8160
NetSW9_2: SW9.2 SW21.6 | length 5269
  Top Layer w12: v1@8807.06,6499.89 8807.06,7025.31 8831.62,7049.87 v1(8831.62,7521.66)
  Bottom Layer w12: SW9.2@4739.39,7382.15 4739.39,7472.23 4790.05,7522.89 4791.28,7521.66 v1(8831.62,7521.66) ; v1(8806.84,6499.89) SW21.6@8806.84,6533.16
NetSW9_6: SW9.6 SW10.2 | length 1214
  Bottom Layer w12: SW9.6@4509.39,7312.15 4509.39,7266.29 4529.99,7245.69 5001.51,7245.69 5204.65,7448.83 5511.63,7448.83 5527.51,7432.95 SW10.2@5527.51,7382.15
NetSW10_6: SW10.6 SW11.2 | length 1205.9
  Bottom Layer w12: SW10.6@5297.51,7312.15 5297.51,7270.78 5322.05,7246.24 5758.14,7246.24 5961.1,7449.2 6290.19,7449.2 6315.64,7423.76 SW11.2@6315.64,7382.15
NetSW11_6: SW11.6 SW12.2 | length 1193.3
  Bottom Layer w12: SW11.6@6085.64,7312.15 6085.64,7274.51 6111.71,7248.43 6564.14,7248.43 6757.8,7442.08 7080.84,7442.08 7103.76,7419.16 SW12.2@7103.76,7382.15
NetSW12_6: SW12.6 SW13.2 | length 1186.3
  Bottom Layer w12: SW12.6@6873.76,7312.15 6873.76,7284.44 6908.03,7250.17 7348.06,7250.17 7542.34,7444.45 7863.65,7444.45 7891.88,7416.22 SW13.2@7891.88,7382.15
NetSW13_6: SW13.6 SW14.2 | length 1196
  Bottom Layer w12: SW13.6@7661.88,7312.15 7661.88,7277.55 7692.34,7247.09 8128.11,7247.09 8329.42,7448.4 8647.56,7448.4 8680,7415.96 SW14.2@8680,7382.15
NetSW16_2: SW16.2 SW27.6 | length 5335.5
  Top Layer w12: v1(8979.69,5714.54) 8979.69,6288.9 9026.77,6335.98 v1(9026.77,6760.62)
  Bottom Layer w12: SW16.2@4920.47,6605 4920.47,6712.23 4967.67,6759.44 v1@9027.16,6759.44 ; v1(8979.69,5714.54) SW27.6@8979.69,5751
NetSW16_6: SW16.6 SW17.2 | length 1391.3
  Bottom Layer w12: SW16.6@4690.47,6535 4690.47,6491.94 4708.48,6473.92 5228.46,6473.92 5437.11,6682.57 5854.6,6682.57 5885,6652.18 SW17.2@5885,6605
NetSW17_6: SW17.6 SW18.2 | length 1215.3
  Bottom Layer w8: SW17.6@5655,6535 5655,6497.51 5679.14,6473.37 6146.48,6473.37 6351.79,6678.68 6658.2,6678.68 6672.5,6664.37 SW18.2@6672.5,6605
NetSW18_6: SW18.6 SW19.2 | length 1205.5
  Bottom Layer w12: SW18.6@6442.5,6535 6442.5,6493.54 6467.25,6468.79 6914.29,6468.79 7116.51,6671.01 7436.98,6671.01 7460,6647.99 SW19.2@7460,6605
NetSW19_6: SW19.6 SW20.2 | length 1200.6
  Bottom Layer w12: SW19.6@7230,6535 7230,6494.41 7250.46,6473.96 7688.94,6473.96 7882.71,6667.72 8232.21,6667.72 8247.5,6652.43 SW20.2@8247.5,6605
NetSW20_6: SW20.6 SW21.2 | length 1200.3
  Bottom Layer w12: SW20.6@8017.5,6535 8017.5,6501.31 8046.39,6472.42 8483.68,6472.42 8681.13,6669.87 9018.71,6669.87 9035,6653.57 SW21.2@9035,6605
NetSW22_2: SW22.2 SW37.6 | length 5519.8
  Top Layer w12: v1(9335,4939.44) 9335,5479.05 9373.16,5517.2 9373.16,5606.36 9322.11,5657.4 9322.11,5933.83 ; 9322.11,5933.83 v1(9322.11,5949.79) 9322.11,5933.83
  Bottom Layer w12: SW22.2@5005,5825 5005,5911.94 5043.6,5950.55 v1@9322.11,5950.55 ; v1(9335,4939.44) SW37.6@9335,4975.96
NetSW22_6: SW22.6 SW23.2 | length 1459.8
  Bottom Layer w12: SW22.6@4775,5755 4775,5710.04 4790.18,5694.86 5463.47,5694.86 5647.4,5878.79 6044.07,5878.79 6058.04,5864.82 SW23.2@6058.04,5821.31
NetSW23_6: SW23.6 SW24.2 | length 1192.3
  Bottom Layer w12: SW23.6@5828.04,5751.31 5828.04,5716.82 5855.31,5689.54 6303.85,5689.54 6494.02,5879.72 6831.24,5879.72 6846.03,5864.93 SW24.2@6846.03,5821.31
NetSW24_6: SW24.6 SW25.2 | length 1195
  Bottom Layer w12: SW24.6@6616.03,5751.31 6616.03,5717.25 6645.54,5687.74 7097.09,5687.74 7292.47,5883.12 7613.5,5883.12 7634.02,5862.6 SW25.2@7634.02,5821.31
NetSW25_6: SW25.6 SW26.2 | length 1196.6
  Bottom Layer w12: SW25.6@7404.02,5751.31 7404.02,5713.38 7422.72,5694.69 7882.95,5694.69 8073.98,5885.72 8403.96,5885.72 8422.01,5867.68 SW26.2@8422.01,5821.31
NetSW26_6: SW26.6 SW27.2 | length 1206.9
  Bottom Layer w12: SW26.6@8192.01,5751.31 8192.01,5712.99 8217.26,5687.74 8667.94,5687.74 8867.66,5887.46 9195.03,5887.46 9210,5872.49 SW27.2@9210,5821.31
NetSW32_2: SW32.2 SW42.6 | length 4839.8
  Top Layer w12: v1(8793.79,5179.18) 8793.79,4805.47 8728.73,4740.42 8728.73,4632.24 8796.91,4564.06 v1(8796.91,4148.88)
  Bottom Layer w12: SW32.2@5180,5045 5180,5122.55 5236.63,5179.18 v1(8793.79,5179.18) ; SW42.6@8795.61,4187.82 8796.91,4186.51 v1(8796.91,4148.88)
NetSW32_6: SW32.6 SW33.2 | length 1632.3
  Bottom Layer w12: SW32.6@4950,4975 4950,4948.8 4979.65,4919.15 5422.1,4919.15 5613.6,5110.65 6391.87,5110.65 6411.09,5091.44 SW33.2@6411.09,5045.96
NetSW33_6: SW33.6 SW34.2 | length 1199.8
  Bottom Layer w12: SW33.6@6181.09,4975.96 6181.09,4935.98 6207.09,4909.97 6663.17,4909.97 6858.96,5105.76 7181.89,5105.76 7199.56,5088.08 SW34.2@7199.56,5045.96
NetSW34_6: SW34.6 SW35.2 | length 1201.7
  Bottom Layer w12: SW34.6@6969.56,4975.96 6969.56,4930.31 6991.18,4908.7 7428.52,4908.7 7623.04,5103.22 7972.3,5103.22 7988.04,5087.47 SW35.2@7988.04,5045.96
NetSW35_6: SW35.6 SW36.2 | length 1192.7
  Bottom Layer w12: SW35.6@7758.04,4975.96 7758.04,4939.73 7780.59,4917.18 8226.9,4917.18 8417.2,5107.48 8756.58,5107.48 8776.52,5087.54 SW36.2@8776.52,5045.96
NetSW36_6: SW36.6 SW37.2 | length 1190.5
  Bottom Layer w12: SW36.6@8546.52,4975.96 8546.52,4939.84 8571.49,4914.87 9015.22,4914.87 9205.39,5105.03 9544.04,5105.03 9565,5084.08 SW37.2@9565,5045.96
NetSW38_6: SW38.6 SW39.2 | length 1299.6
  Bottom Layer w12: SW38.6@4600,4190 4600,4139.94 4614.5,4125.44 5069.17,4125.44 5265.93,4322.21 5689.08,4322.21 5715,4296.29 SW39.2@5715,4260
NetSW39_6: SW39.6 SW40.2 | length 1301.2
  Bottom Layer w12: SW39.6@5485,4190 5485,4146.8 5503.58,4128.21 5966.94,4128.21 6162.37,4323.64 6580.55,4323.64 6605,4299.2 SW40.2@6605,4260
NetSW40_6: SW40.6 SW41.2 | length 1314.6
  Bottom Layer w12: SW40.6@6375,4190 6375,4143.59 6392.48,4126.11 6842.18,4126.11 7043.44,4327.38 7475.17,4327.38 7493.38,4309.17 SW41.2@7493.38,4257.46
NetSW41_6: SW41.6 SW42.2 | length 1952.2
  Bottom Layer w12: SW41.6@7263.38,4187.46 7263.38,4137.21 7276.79,4123.79 8180.38,4123.79 8379.3,4322.72 9003.11,4322.72 9025.61,4300.22 SW42.2@9025.61,4257.82
RGB: SW8.6 U1.8@11138.98,7519.17 | length 2317.5
  Top Layer w12: v1(11047.93,7872.33) 11047.93,7610.22 U1.8@11138.98,7519.17
  Bottom Layer w12: SW8.6@9240,8090 9240,8042.76 9257.74,8025.02 9909.46,8025.02 10061.99,7872.5 v1@11048.89,7872.5
ROW0: SW2.3 SW3.3 SW4.3 SW5.3 SW6.3 SW7.3 SW8.3 U2.3 | length 7490.8
  Top Layer w12: v1@9992.24,6474.02 v1(9992.24,7631.63)
  Bottom Layer w12: SW2.3@4373.98,7725 4467.34,7631.63 9011.63,7631.63 ; 5162.48,7635.43 SW3.3@5162.48,7725 ; 5950.98,7631.79 SW4.3@5950.98,7725 ; 6739.49,7632.36 SW5.3@6739.49,7725 ; 7527.99,7639.23 SW6.3@7527.99,7725 ; 8316.5,7633.5 SW7.3@8316.5,7725 ; SW8.3@9105,7725 9011.63,7631.63 ; U2.3@9901.02,6475.96 v1(9992.52,6475.96) ; v1(9992.24,7631.63) 9011.63,7631.63
ROW1: SW9.3 SW10.3 SW11.3 SW12.3 SW13.3 SW14.3 U2.4 | length 6498.4
  Top Layer w12: v1(9961.68,6450.37) v1(9961.68,6731.88)
  Bottom Layer w12: SW9.3@4374.39,6947.15 4457.26,6864.28 5162.51,6864.28 ; SW10.3@5162.51,6947.15 5162.51,6864.28 ; SW11.3@5950.64,6947.15 5950.64,6864.28 ; SW12.3@6738.76,6947.15 6738.76,6864.28 ; SW13.3@7526.88,6947.15 7526.88,6864.28 ; 8315,6866.96 SW14.3@8315,6947.15 ; v1(9832.64,6450.37) U2.4@9901.02,6450.37 v1(9961.68,6450.37) ; v1@9961.68,6732.64 9329.28,6732.64 9197.65,6864.28 7526.88,6864.28 ; 5162.51,6864.28 5950.64,6864.28 ; 5950.64,6864.28 6738.76,6864.28 ; 6738.76,6864.28 7526.88,6864.28
ROW2: SW16.3 SW17.3 SW18.3 SW19.3 SW20.3 SW21.3 U2.5 | length 6174.3
  Top Layer w12: v1@9738.07,6074.93 v1(9738.07,6366.83)
  Bottom Layer w12: SW16.3@4555.47,6170 4650.54,6074.93 5520,6074.93 ; SW17.3@5520,6170 5520,6074.93 ; SW18.3@6307.5,6170 6307.5,6074.93 ; SW19.3@7095,6170 7095,6074.93 ; SW20.3@7882.5,6170 7882.5,6074.93 ; 8670,6077.06 SW21.3@8670,6170 ; v1(9738.07,6366.83) 9738.25,6366.83 9796.2,6424.78 U2.5@9901.02,6424.78 ; v1(9738.29,6074.93) 7882.5,6074.93 ; 5520,6074.93 6307.5,6074.93 ; 6307.5,6074.93 7095,6074.93 ; 7095,6074.93 7882.5,6074.93
ROW3: SW22.3 SW23.3 SW24.3 SW25.3 SW26.3 SW27.3 U2.6 | length 6775.2
  Top Layer w12: v1@9770.34,5305 v1(9770.34,6355)
  Bottom Layer w12: SW22.3@4640,5390 4726,5304 5693.04,5304 ; SW23.3@5693.04,5386.31 5693.04,5304 ; SW24.3@6481.03,5386.31 6481.03,5304 ; SW25.3@7269.02,5386.31 7269.02,5304 ; SW26.3@8057.01,5386.31 8057.01,5304 ; 8845,5304.96 SW27.3@8845,5386.31 ; v1@9770.02,5304 8057.01,5304 ; v1(9770.34,6355) 9814.53,6399.19 U2.6@9901.02,6399.19 ; 5693.04,5304 6481.03,5304 ; 6481.03,5304 7269.02,5304 ; 7269.02,5304 8057.01,5304
  other v1: 9770,5305
ROW4: SW32.3 SW33.3 SW34.3 SW35.3 SW36.3 SW37.3 U2.7 | length 7645.1
  Top Layer w12: v1(9802.16,6343.93) 9802.16,5235.99 10020.52,5017.63 v1(10020.52,4531.36)
  Bottom Layer w12: SW32.3@4815,4610 4892.69,4532.31 6046.09,4532.31 ; SW33.3@6046.09,4610.96 6046.09,4532.31 ; SW34.3@6834.56,4610.96 6834.56,4532.31 ; SW35.3@7623.04,4610.96 7623.04,4532.31 ; SW36.3@8411.52,4610.96 8411.52,4532.31 ; SW37.3@9200,4610.96 9200,4532.31 ; v1(9802.16,6343.93) 9831.83,6373.6 U2.7@9901.02,6373.6 ; v1@10020.52,4532.31 9200,4532.31 ; 6046.09,4532.31 6834.56,4532.31 ; 6834.56,4532.31 7623.04,4532.31 ; 7623.04,4532.31 8411.52,4532.31 ; 8411.52,4532.31 9200,4532.31
ROW5: SW38.3 SW39.3 SW40.3 SW41.3 SW42.3 U2.8 | length 8699.8
  Top Layer w12: v1(9833.53,6333.88) 9833.53,5245.07 10047.26,5031.35 v1(10047.26,3740.16)
  Bottom Layer w12: SW38.3@4465,3825 4549.88,3740.12 v1@10047.26,3740.12 ; 5350,3741.77 SW39.3@5350,3825 ; 6240,3742.26 SW40.3@6240,3825 ; 7128.38,3741.57 SW41.3@7128.38,3822.46 ; 8660.61,3742.87 SW42.3@8660.61,3822.82 ; v1(9833.53,6333.88) 9847.66,6348.01 U2.8@9901.02,6348.01
SW1: R6.2 SW28.1 U1.6@11138.98,7719.17 | length 7544.7
  Bottom Layer w8: SW28.1@4148.84,7158.08 4148.84,7439.43 4265.17,7555.76 10064.64,7555.76 10179.38,7670.49 11090.31,7670.49 U1.6@11138.98,7719.17 ; R6.2@4148.97,7000.65 SW28.1@4148.97,7157.96
SW2: R8.2 SW28.3 U1.5 | length 7827.2
  Bottom Layer w8: R8.2@3848.52,6997.17 SW28.3@3848.52,7156.97 ; SW28.3@3849.63,7158.08 3849.63,7336.06 4091.98,7578.41 10006.04,7578.41 10195.8,7768.18 11087.99,7768.18 U1.5@11138.98,7819.17
SW3: R7.2 SW29.1 U1.13 | length 7609.1
  Bottom Layer w8: R7.2@4148.84,6228.71 SW29.1@4148.84,6377.7 4148.84,6562.59 4369.84,6783.59 9223.83,6783.59 9339.6,6667.82 10787.63,6667.82 U1.13@11138.98,7019.17
SW4: R9.2 SW29.3 U1.12 | length 7949.2
  Bottom Layer w8: SW29.3@3849.63,6377.7 3849.63,6577.72 4079.92,6808.02 9223.71,6808.02 9330.29,6701.44 10121.96,6701.44 10192.99,6772.47 10792.28,6772.47 U1.12@11138.98,7119.17 ; R9.2@3852.57,6227.52 SW29.3@3852.57,6374.76
SW5: R10.2 SW30.1 U1.15 | length 8155.2
  Top Layer w8: v1(10977.42,5974.39) 10977.42,6657.61 U1.15@11138.98,6819.17
  Bottom Layer w8: SW30.1@4148.84,5597.32 4148.84,5749.42 4373.82,5974.39 v1(10977.42,5974.39) ; R10.2@4150,5426.5 SW30.1@4150,5596.16
SW6: R12.2 SW30.3 U1.14 | length 8582.4
  Top Layer w8: v1(10931.14,6000.15) 10931.14,6711.33 U1.14@11138.98,6919.17
  Bottom Layer w8: R12.2@3848.22,5426.22 SW30.3@3848.22,5595.9 ; SW30.3@3849.63,5597.32 3849.63,5869.23 3980.56,6000.15 v1(10931.14,6000.15)
SW7: R11.2 SW31.1 U1.17 | length 8747.3
  Top Layer w8: v1(11058.2,5214.61) 11058.2,6538.39 U1.17@11138.98,6619.17
  Bottom Layer w8: R11.2@4148.84,4680.52 SW31.1@4148.84,4816.93 4148.84,4985.59 4377.86,5214.61 v1(11058.2,5214.61)
SW8: R13.2 SW31.3 U1.16 | length 9163.4
  Top Layer w8: v1(11020.96,5241.75) 11020.96,6601.15 U1.16@11138.98,6719.17
  Bottom Layer w8: R13.2@3849.63,4680.51 SW31.3@3849.63,4816.93 3849.63,5078.77 4012.6,5241.75 v1(11020.96,5241.75)
pads on no net: SW2. SW3. SW4. SW5. SW6. SW7. SW8. SW9. SW10. SW11. SW12. SW13. SW14. SW15. SW16. SW17. SW18. SW19. SW20. SW21. SW22. SW23. SW24. SW25. SW26. SW27. SW28.4 SW28.5 SW29.4 SW29.5 SW30.4 SW30.5 SW31.4 SW31.5 SW32. SW33. SW34. SW35. SW36. SW37. SW38. SW38.2 SW39. SW40. SW41. SW42. U1.0 U1.6@10831.89,8118.15 U1.7 U1.8@10831.89,8253.97 U1.9 U1.10 U1.11 U1.19 U1.20 U1.21 U1.24 U1.28 U1.29 U1.31 U1.33 U2.1 U2.9 U2.10 U2.11

## Polygon pours and split planes (outlines as drawn)
GND on Top Layer "Top Overlay-No Net" (solid, remove dead copper, pour order 0): 3267.96,8369.95 3268.61,8370.59 11333.64,8370.59 11333.64,3666.76 3267.96,3666.76
GND on Bottom Layer "Top Overlay-No Net" (solid, remove dead copper, pour order 2): 3267.96,8370.59 11333.64,8370.59 11333.64,3666.76 3267.96,3666.76

## Keep-outs
Keep-Out Layer:
  lines w7.87: 3267.96,8369.95 3267.96,3666.76 11333.64,3666.76 11333.64,8370.59 3267.96,8370.59

## Silkscreen, mask and mechanical layers (free items; w line width, h text height)
Top Overlay:
  text "20220509" at 10928.8,3810.51 h80
  text "V0.1" at 11098.6,3703.97 h80
Mechanical 15:
  lines w7.87: 4242.19,7569.67 9731.16,7569.67 ; 4243.08,6791.91 9726.14,6791.91 ; 4248.07,3671.91 8453.89,3671.91 ; 4249.43,6011.91 9299.37,6011.91 ; 4255.17,4381.91 8464.54,4381.91 ; 4257.81,5231.91 9477.61,5231.91 ; 4259.2,5941.91 9478.64,5941.91 ; 4260.6,5161.91 9833.96,5161.91 ; 4262,4456.91 9843.08,4456.91 ; 4263.93,6721.91 9298.58,6721.91 ; 4267.19,8279.67 9732.19,8279.67 ; 4268.08,3626.91 4268.08,7501.91 ; 4268.08,8296.74 4268.08,7501.91 ; 4360.35,3661.67 4360.35,4379.71 ; 4447.36,6002.78 4447.36,6720.82 ; 4535.43,5224.45 4535.43,5942.49 ; 4712.93,4442.04 4712.93,5160.08 ; 4979.97,7561.65 4979.97,8279.69 ; 4980.86,6783.89 4980.86,7501.93 ; 5060.72,7560.3 5060.72,8278.33 ; 5061.61,6782.54 5061.61,7500.58 ; 5069.6,3663.31 5069.6,4381.35 ; 5158.99,6004.18 5158.99,6722.21 ; 5244.78,3663.31 5244.78,4381.35 ; 5247.35,5222.63 5247.35,5940.67 ; 5411.61,6004.18 5411.61,6722.21 ; 5423.14,4441.94 5423.14,5159.98 ; 5587.76,5220.41 5587.76,5938.45 ; 5771.34,7561.62 5771.34,8279.66 ; 5772.23,6783.86 5772.23,7501.9 ; 5848.1,7561 5848.1,8279.04 ; 5849,6783.24 5849,7501.28 ; 5944.35,4443.4 5944.35,5161.43 ; 5956.3,3663.31 5956.3,4381.35 ; 6124.48,6004.18 6124.48,6722.21 ; 6130.29,3662.11 6130.29,4380.15 ; 6198.52,6001.27 6198.52,6719.31 ; 6299.16,5220.41 6299.16,5938.45 ; 6375.7,5221.72 6375.7,5939.76 ; 6558.38,7560.65 6558.38,8278.69 ; 6559.27,6782.89 6559.27,7500.93 ; 6635.35,7561.27 6635.35,8279.31 ; 6636.24,6783.51 6636.24,7501.55 ; 6654.43,4441.6 6654.43,5159.64 ; 6730.79,4438.33 6730.79,5156.37 ; 6840.61,3662.11 6840.61,4380.15 ; 6909.29,6003.5 6909.29,6721.54 ; 6987.72,6002.6 6987.72,6720.64 ; 7085.53,5224.5 7085.53,5942.54 ; 7166.3,5223.04 7166.3,5941.08 ; 7345.53,7561.08 7345.53,8279.12 ; 7346.42,6783.32 7346.42,7501.36 ; 7423.42,7560.4 7423.42,8278.44 ; 7424.31,6782.65 7424.31,7500.68 ; 7441.99,4440.51 7441.99,5158.55 ; 7519.43,4442.69 7519.43,5160.73 ; 7696.28,6003.5 7696.28,6721.53 ; 7773.81,6003.5 7773.81,6721.53 ; 7873.74,5223.04 7873.74,5941.08 ; 7950.29,5220.4 7950.29,5938.44 ; 8133.23,7561.08 8133.23,8279.12 ; 8134.12,6783.32 8134.12,7501.36 ; 8209.09,7561.08 8209.09,8279.12 ; 8209.98,6783.32 8209.98,7501.36 ; 8230.08,4442.04 8230.08,5160.07 ; 8305.67,4442.04 8305.67,5160.07 ; 8485.07,6002.86 8485.07,6720.9 ; 8538.61,3646.05 8152.34,3646.05 8151.22,3647.18 8151.22,4396.05 8538.61,4396.05 ; 8558.14,3662.07 8558.14,4380.11 ; 8563.41,6001.87 8563.41,6719.91 ; 8661.7,5221.72 8661.7,5939.76 ; 8739.57,5223.04 8739.57,5941.08 ; 8920.26,7561.76 8920.26,8279.8 ; 8921.15,6784 8921.15,7502.04 ; 8998.15,7559.73 8998.15,8277.76 ; 8999.04,6781.97 8999.04,7500.01 ; 9016,4443.24 9016,5161.27 ; 9092.79,4442.04 9092.79,5160.07 ; 9268.46,3662.07 9268.46,4380.11 ; 9272.97,6003.49 9272.97,6721.53 ; 9288.61,3646.05 9674.87,3646.05 ; 9288.61,4396.05 9676,4396.05 9676,3647.18 ; 9450.98,5221.72 9450.98,5939.76 ; 9708.23,7560.6 9708.23,8278.64 ; 9733.08,7501.91 4268.08,7501.91 ; 9803.11,4445.64 9803.11,5163.67

## Text inside footprints (layer, text, board x,y; h text height)
SW15: Top Overlay "VR1" at 10718.65,4580.69 h39.37; Top Overlay "VR2" at 10897.59,5039.18 h39.37 r270
U1: Top Overlay "RST" at 10471.72,8301.64 h60 r270; Top Overlay "PRG" at 10873.17,8304.57 h60 r270